# KiCad board steno.kicad_pcb

Outline 137.59 x 65.91 mm; copper layers: Top, Bottom. Coordinates in mm from the lower left corner of the outline.
Outline path: 0,31.22 0,64.75 arc(0.34,65.57) 1.16,65.91 136.44,65.91 arc(137.26,65.57) 137.59,64.75 ; 18.5,0 74,0 ; 83.25,8.09 107.53,8.09 ; 115.62,27.75 129.5,27.75

## Placement (name value [footprint] x y rotation side)
B+jumper1  SolderJumper_3_Open  [SolderJumper-3_P2.0mm_Open_TrianglePad1.0x1.5mm]  9.25 60.12 180 top
B-jumper1  SolderJumper_3_Open  [SolderJumper-3_P2.0mm_Open_TrianglePad1.0x1.5mm]  9.25 55.5 0 top
BT14250  14250  [SbM-9202_14250_battery_holder]  92.5 16.5 0 top
D1  Diode  [Diode_DO-35_DO35_unprinted]  37 47.88 90 top
D2  Diode  [Diode_DO-35_DO35_unprinted]  55.5 47.88 90 top
D3  Diode  [Diode_DO-35_DO35_unprinted]  74 47.88 90 top
D4  Diode  [Diode_DO-35_DO35_unprinted]  92.5 47.88 90 top
D5  Diode  [Diode_DO-35_DO35_unprinted]  111 47.88 90 top
D6  Diode  [Diode_DO-35_DO35_unprinted]  129.5 47.88 90 top
D7  Diode  [Diode_DO-35_DO35_unprinted]  37 29.38 90 top
D8  Diode  [Diode_DO-35_DO35_unprinted]  55.5 29.38 90 top
D9  Diode  [Diode_DO-35_DO35_unprinted]  74 29.38 90 top
D10  Diode  [Diode_DO-35_DO35_unprinted]  92.5 29.38 90 top
D11  Diode  [Diode_DO-35_DO35_unprinted]  111 29.38 90 top
D12  Diode  [Diode_DO-35_DO35_unprinted]  129.5 29.38 90 top
D13  Diode  [Diode_DO-35_DO35_unprinted]  37 1.63 90 top
D14  Diode  [Diode_DO-35_DO35_unprinted]  55.5 1.63 90 top
D15  Diode  [Diode_DO-35_DO35_unprinted]  74.13 1.63 90 top
H1  MountingHole  [MountingHole_2.2mm_M2]  9.25 10.83 0 top
H2  MountingHole  [MountingHole_2.2mm_M2]  132.97 61.28 0 top
J1  Conn_01x04_Socket  [BMS 1S]  92.52 23.91 180 top
S1  Keyswitch  [Hotswap_1.00u_reversible_18.5mm]  27.75 55.5 0 top
S2  Keyswitch  [Hotswap_1.00u_reversible_18.5mm]  46.25 55.5 180 top
S3  Keyswitch  [Hotswap_1.00u_reversible_18.5mm]  64.75 55.5 0 top
S4  Keyswitch  [Hotswap_1.00u_reversible_18.5mm]  83.25 55.5 180 top
S5  Keyswitch  [Hotswap_1.00u_reversible_18.5mm]  101.75 55.5 0 top
S6  Keyswitch  [Hotswap_1.00u_reversible_18.5mm]  120.25 55.5 180 top
S7  Keyswitch  [Hotswap_1.00u_reversible_18.5mm]  27.75 37 0 top
S8  Keyswitch  [Hotswap_1.00u_reversible_18.5mm]  46.25 37 180 top
S9  Keyswitch  [Hotswap_1.00u_reversible_18.5mm]  64.75 37 0 top
S10  Keyswitch  [Hotswap_1.00u_reversible_18.5mm]  83.25 37 180 top
S11  Keyswitch  [Hotswap_1.00u_reversible_18.5mm]  101.75 37 0 top
S12  Keyswitch  [Hotswap_1.00u_reversible_18.5mm]  120.25 37 180 top
S13  Keyswitch  [Hotswap_1.00u_reversible_18.5mm]  27.75 9.25 0 top
S14  Keyswitch  [Hotswap_1.00u_reversible_18.5mm]  46.25 9.25 180 top
S15  Keyswitch  [Hotswap_1.00u_reversible_18.5mm]  64.75 9.25 0 top
SideSwitch1  SW_SPDT_312  [powerswitch_SK12D07VG]  2.73 25.28 95 top
U1  Promicro_NRF52840  [Promicro_nrf52840]  9.25 46.25 0 top
VerticalSwitch1  SW_SPDT_312  [SW_Vertical_Slide_5mm]  9.25 22.95 90 top

## Library data of the parts
B+jumper1 B-jumper1 = -: Description: Solder Jumper, 3-pole, open; ki_fp_filters: SolderJumper*Open*
BT14250 = -: Description: Single-cell battery
D1-D15 = -: Description: 1N4148 (DO-35) or 1N4148W (SOD-123); Sim.Device: D; Sim.Pins: 1=K 2=A; ki_fp_filters: D*DO?35*
H1 H2 = -: Description: Mounting Hole without connection; ki_fp_filters: MountingHole*
J1 = -: Description: Generic connector, single row, 01x04, script generated; ki_fp_filters: Connector*:*_1x??_*
S1-S15 = -: Description: Push button switch, normally open, two pins, 45° tilted
SideSwitch1 VerticalSwitch1 = -: Description: Switch, single pole double throw

## Footprints (pads in the part's own frame, mm; a bottom-side part is the same pattern mirrored in y, then rotated)
BMS 1S
  rect 5.5x3.5 hole 2.5: 1(-12,0) 4(12,0)
  rect 3.5x3.5 hole 2.5: 2(-4,0) 3(4,0)
Diode_DO-35_DO35_unprinted
  rect 1.6x1.6 hole 0.8: 1(0,0)
  oval 1.6x1.6 hole 0.8: 2(7.62,0)
Hotswap_1.00u_reversible_18.5mm
  round 1.9 hole 1.9 unplated: (-5.08,0) (5.08,0)
  round 3.05 hole 3.05 unplated: (-5,-3.8) (-3.81,2.54) (-2.54,5.08) (0,-5.9) (0,-5.9) (2.54,5.08) (3.81,2.54) (5,-3.8)
  round 5.05 hole 5.05 unplated: (0,0)
  rrect 2.55x2.5 smd far side: 1(-8.5,-3.8) 2(3.5,-6) 2(5.842,5.08)
  round 0.6 hole 0.3: 1(-7.747,0) 2(7.747,0)
  rrect 2.5x2.5 smd far side: 1(-7,2.54)
  rrect 2.55x2.5 smd: 1(-5.842,5.08) 1(-3.5,-6) 2(8.5,-3.8)
  rrect 2.5x2.5 smd: 2(7,2.54)
MountingHole_2.2mm_M2
  round 2.2 hole 2.2 unplated: (0,0)
powerswitch_SK12D07VG
  round 2 hole 1.4: (-4.1,0) (4.1,0)
  round 1.3 hole 0.7: 1(0,0) 2(-2,0) 3(2,0)
Promicro_nrf52840
  round 1.753 hole 1.092: 1(-7.62,15.24) 2(-7.62,12.7) 3(-7.62,10.16) 4(-7.62,7.62) 5(-7.62,5.08) 6(-7.62,2.54) 7(-7.62,0) 8(-7.62,-2.54) 9(-7.62,-5.08) 10(-7.62,-7.62) 11(-7.62,-10.16) 12(-7.62,-12.7) 13(7.62,-12.7) 14(7.62,-10.16) 15(7.62,-7.62) 16(7.62,-5.08) 17(7.62,-2.54) 18(7.62,0) 19(7.62,2.54) 20(7.62,5.08) 21(7.62,7.62) 22(7.62,10.16) 23(7.62,12.7) 24(7.62,15.24) 25(-5.08,-7.62) 26(-2.54,-7.62) 27(0,-7.62) 28(7.62,17.78) 29(-7.62,17.78)
SbM-9202_14250_battery_holder
  rrect 3x3 smd: 1(3.95,2) 1(3.95,-2) 2(-3.95,2) 2(-3.95,-2)
  rrect 3x3 smd far side: 1(3.95,2) 1(3.95,-2) 2(-3.95,2) 2(-3.95,-2)
  round 2.9 hole 1.9: 1(11.57,0) 2(-11.57,0)
SolderJumper-3_P2.0mm_Open_TrianglePad1.0x1.5mm
  custom 1.5x1.5 smd: 1(-2,0) 3(2,0)
  custom 2.4x1.5 smd: 2(0,0)
SW_Vertical_Slide_5mm
  rrect 2.3x3.6 hole 1.3x2.6: 1(0,0) 2(-4.8,0) 3(4.8,0)

## Nets
B+: BT14250.1 J1.1
B-: BT14250.2 J1.4
col_1: S1.1 S7.1 S13.1 U1.13
col_2: S2.2 S8.2 S14.2 U1.14
col_3: S3.1 S9.1 S15.1 U1.15
col_4: S4.2 S10.2 U1.16
col_5: S5.1 S11.1 U1.17
col_6: S6.2 S12.2 U1.18
left: B+jumper1.3 B-jumper1.1 U1.29
P+: B+jumper1.2 SideSwitch1.3 VerticalSwitch1.3
P-: B-jumper1.2 J1.3
Ps+: J1.2 SideSwitch1.1 VerticalSwitch1.1
right: B+jumper1.1 B-jumper1.3 U1.28
row_1: D1.1 D2.1 D3.1 D4.1 D5.1 D6.1 U1.10
row_2: D7.1 D8.1 D9.1 D10.1 D11.1 D12.1 U1.11
row_3: D13.1 D14.1 D15.1 U1.12
Net-(D1-A): D1.2 S1.2
Net-(D2-A): D2.2 S2.1
Net-(D3-A): D3.2 S3.2
Net-(D4-A): D4.2 S4.1
Net-(D5-A): D5.2 S5.2
Net-(D6-A): D6.2 S6.1
Net-(D7-A): D7.2 S7.2
Net-(D8-A): D8.2 S8.1
Net-(D9-A): D9.2 S9.2
Net-(D10-A): D10.2 S10.1
Net-(D11-A): D11.2 S11.2
Net-(D12-A): D12.2 S12.1
Net-(D13-A): D13.2 S13.2
Net-(D14-A): D14.2 S14.1
Net-(D15-A): D15.2 S15.2

Pads without a net: SideSwitch1 2; U1 1 2 3 4 5 6 7 8 9 19 20 21 22 23 24 25 26 27; VerticalSwitch1 2

## Via types
v1: diameter 0.6, hole 0.3, Top to Bottom, 5 vias

## Routing (per net, layer and track width the routed paths; a pad name or vN(x,y) marks a point on that pad's centre or on a via; arc(x,y) is an arc through that point)
B+: length 28.5
  Top w0.2: BT14250.1 102.07,14.5 BT14250.1 BT14250.1 102.07,18.5 BT14250.1 ; BT14250.1 104.52,16.95 J1.1
B-: length 28.5
  Top w0.2: BT14250.2 80.52,16.91 J1.4 ; BT14250.2 82.93,14.5 BT14250.2 BT14250.2 82.93,18.5 BT14250.2
col_1: length 44.3
  Top w0.2: U1.13 17.6,34.28 17.6,34.87 19.74,37 ; 21.52,41.4 21.75,41.63 21.75,41.92 S7.1 20.88,43.11
  Bottom w0.2: S1.1 19.25,41.04 S7.1 ; S13.1 19.25,13.29 S7.1 18.9,33.55 U1.13
col_2: length 58.1
  Top w0.2: S8.2 37.75,44.74 37.47,45.02 19.92,45.02 19.14,44.24 19.14,38.36 U1.14
  Bottom w0.2: S14.2 40.41,17.59 S8.2 ; S8.2 40.41,45.34 S2.2
col_3: length 83.4
  Top w0.2: U1.15 18.62,40.38 18.62,44.33 19.71,45.42 55.57,45.42 S9.1
  Bottom w0.2: S9.1 57.75,50.2 S3.1 ; S15.1 57.75,31.7 S9.1
col_4: length 73.7
  Top w0.2: S10.2 74.75,44.74 73.67,45.82 19.55,45.82 18.17,44.44 18.17,42.47 U1.16
  Bottom w0.2: S10.2 77.41,45.34 S4.2
col_5: length 94.6
  Top w0.2: U1.17 19.38,46.22 91.77,46.22 S11.1
  Bottom w0.2: S11.1 94.75,50.2 S5.1
col_6: length 108.1
  Top w0.2: U1.18 17.24,46.62 109.87,46.62 111.75,44.74 S12.2
  Bottom w0.2: S12.2 114.41,45.34 S6.2
left: length 11.9
  Top w0.2: U1.29 3.34,64.03 B+jumper1.3 B-jumper1.1
P+: length 41.4
  Top w0.2: B+jumper1.2 9.25,58.69 v1(9.26,58.68) ; VerticalSwitch1.3 9.47,27.97
  Bottom w0.2: SideSwitch1.3 8.77,27.27 VerticalSwitch1.3 11.43,29.93 11.43,45.38 9.26,47.56 v1(9.26,58.68)
P-: length 107.2
  Top w0.2: J1.3 86.3,23.91 83.43,26.78 v1(16.53,26.78) ; v1(13.83,50.48) 13.02,51.3 10.08,51.3 9.25,52.13 B-jumper1.2
  Bottom w0.2: v1(16.53,26.78) 15.63,26.78 14.73,27.68 14.73,49.58 v1(13.83,50.48)
Ps+: length 98
  Top w0.2: VerticalSwitch1.1 13.68,27.38 93.05,27.38 J1.2
  Bottom w0.2: VerticalSwitch1.1 6.92,25.28 SideSwitch1.1
right: length 11.9
  Top w0.2: B-jumper1.3 B+jumper1.1 15.16,64.03 U1.28
row_1: length 136.6
  Top w0.2: D6.1 D5.1 D4.1 D3.1 D2.1 D1.1 36.67,47.55 16.5,47.55 13.22,44.27 13.22,38.09 12.15,37.02 3.24,37.02 U1.10
row_2: length 132.3
  Top w0.2: U1.11 13.24,36.09 14.59,34.74 14.59,32.14 17.51,29.22 36.84,29.22 D7.1 D8.1 D9.1 D10.1 D11.1 D12.1
row_3: length 103.5
  Top w0.2: v1(13.53,29.18) 13.53,33.66 12.15,35.04 3.12,35.04 U1.12 ; v1(17.8,1.64) 18.25,1.19 36.56,1.19 D13.1 D14.1 74,1.63
  Bottom w0.2: v1(13.53,29.18) 13.53,5.91 v1(17.8,1.64)
Net-(D1-A): length 3.5
  Top w0.2: D1.2 34.75,57.75 S1.2
Net-(D2-A): length 4.1
  Bottom w0.2: S2.1 54.75,56.25 D2.2
Net-(D3-A): length 3.5
  Top w0.2: D3.2 71.75,57.75 S3.2
Net-(D4-A): length 4.1
  Bottom w0.2: D4.2 91.75,56.25 S4.1
Net-(D5-A): length 3.5
  Top w0.2: S5.2 108.75,57.75 D5.2
Net-(D6-A): length 4.1
  Bottom w0.2: S6.1 128.75,56.25 D6.2
Net-(D7-A): length 3.5
  Top w0.2: D7.2 34.75,39.25 S7.2
Net-(D8-A): length 4.1
  Bottom w0.2: S8.1 54.75,37.75 D8.2
Net-(D9-A): length 3.5
  Top w0.2: D9.2 71.75,39.25 S9.2
Net-(D10-A): length 4.1
  Bottom w0.2: S10.1 91.75,37.75 D10.2
Net-(D11-A): length 3.5
  Top w0.2: S11.2 108.75,39.25 D11.2
Net-(D12-A): length 4.1
  Bottom w0.2: D12.2 128.75,37.75 S12.1
Net-(D13-A): length 3.5
  Top w0.2: S13.2 34.75,11.5 D13.2
Net-(D14-A): length 4.1
  Bottom w0.2: S14.1 54.75,10 D14.2
Net-(D15-A): length 3.5
  Top w0.2: 74,9.25 71.75,11.5 S15.2

## Copper pours and planes (outline as drawn; the poured copper is in the pictures)
(no net) on Top, Bottom: -6.76,77.13 138.73,76.98 138.88,-5.68 -6.76,-5.52 -6.6,77.13

## Text on the board
B.Silkscreen: GND | B- | B+ | RAW | RST
F.Silkscreen: RAW | GND | RST | B- | B+
